# Allegro board 8880F5-0823_1_redwan.brd (continued)
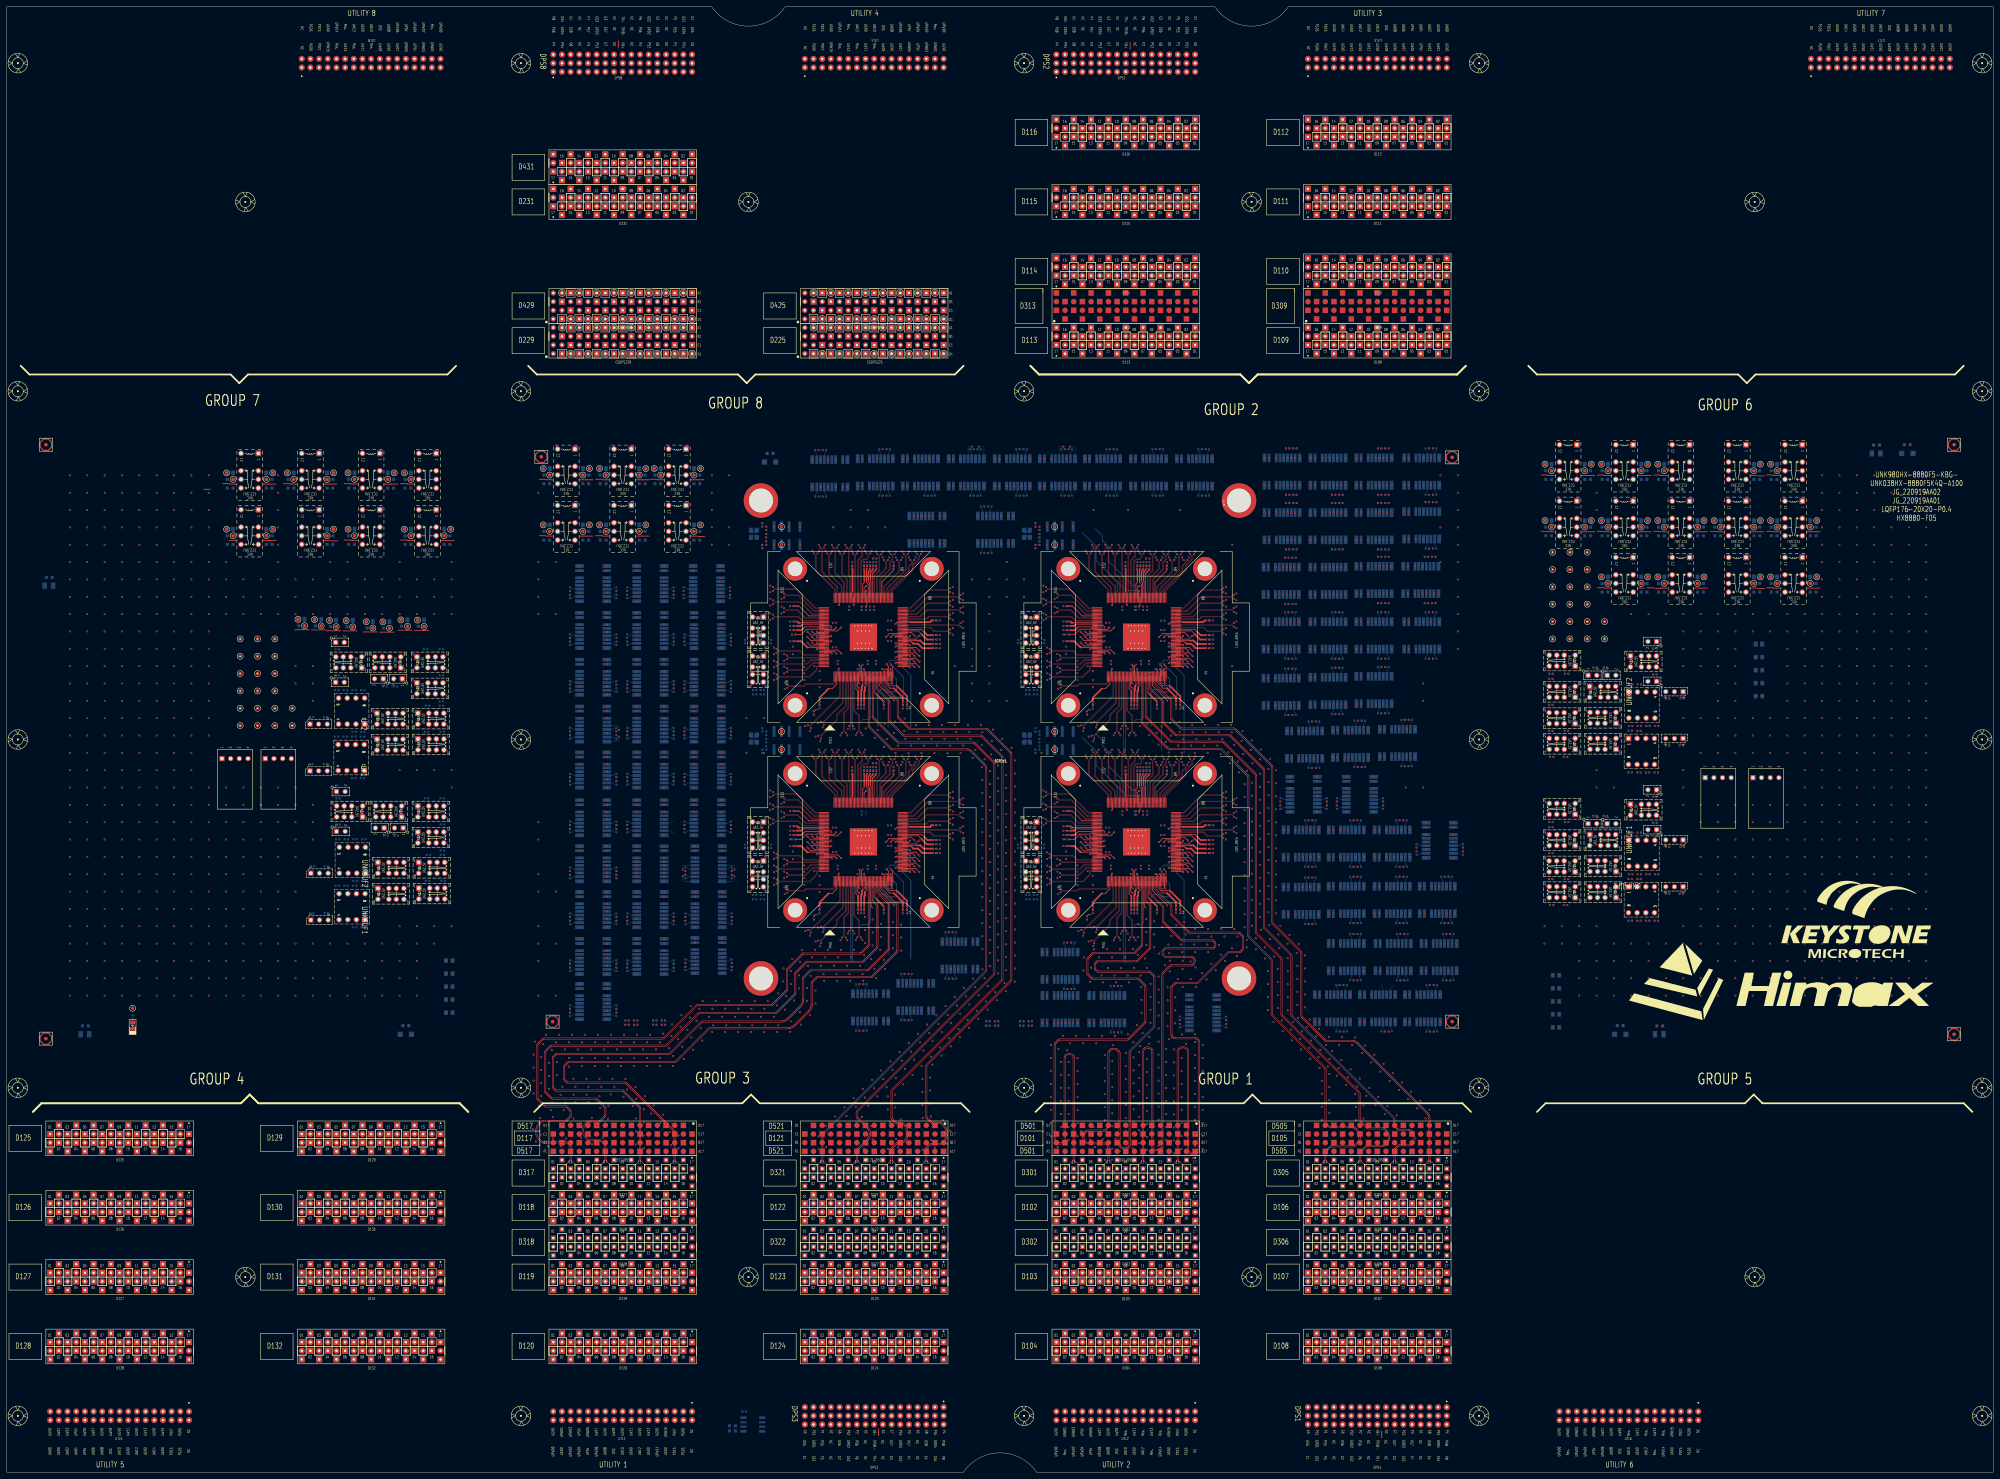
[diagram p0: board, top side]
## Routing (per net, layer and track width the routed paths; a pad name or vN(x,y) marks a point on that pad's centre or on a via; arc(x,y) is an arc through that point) (continued)
S4_2AUX+:
  vias: v1(300.22,132.08) v1(300.22,130.81)
S4_2AUX-:
  vias: v1(296.68,130.81) v1(297.68,132.08)
S4_2TX_100DCH001+: length 328.6
  TOP w0.086: SITE4.89 339.43,197.78 339.35,197.86 339.35,198.16 345.32,204.13 345.32,205.52 347.21,207.41 347.21,208.5 v1(347.64,208.93)
  L05_SIGNAL w0.071: 381,55.88 383.44,53.44 383.44,50.45 390.83,43.06 427.72,43.06 441.82,57.16 441.82,182.44 416.02,208.24 410.6,208.24 409.81,207.45 409.81,206.89 409.74,206.82 v1(409.34,206.82)
  L32_SIGNAL w0.071: v1(409.34,206.82) 409.81,207.29 409.81,208.53 405.73,212.61 364.3,212.61 363.28,211.59 347.69,211.59 347.17,211.08 347.17,209.4 v1(347.64,208.93)
S4_2TX_100DCH001-: length 327.9
  TOP w0.086: v1(346.5,208.93) 346.97,208.46 346.97,207.51 345.08,205.62 345.08,204.23 339.11,198.26 339.11,197.86 339.03,197.78 SITE4.90
  L05_SIGNAL w0.071: 386.08,55.88 383.64,53.44 383.64,50.53 390.91,43.26 427.64,43.26 441.62,57.24 441.62,182.36 415.94,208.04 410.68,208.04 410.01,207.37 410.01,206.89 410.08,206.82 v1(410.48,206.82)
  L32_SIGNAL w0.071: v1(410.48,206.82) 410.01,207.29 410.01,208.61 405.81,212.81 364.22,212.81 363.2,211.79 347.61,211.79 346.97,211.16 346.97,209.4 v1(346.5,208.93)
S4_2TX_100DCH002+: length 292.9
  TOP w0.086: SITE4.91 338.63,197.78 338.55,197.86 338.55,198.23 344.35,204.04 344.35,205.37 345.28,206.31 345.28,206.78 v1(345.72,207.21)
  L05_SIGNAL w0.071: 411.48,55.88 413.93,53.43 413.93,52.5 416,50.42 425.39,50.42 434.13,59.16 434.13,104.18 426.36,111.95 426.36,157.26 424.63,158.99 422.51,158.99 422,158.49 422,157.74 421.93,157.67 v1(421.53,157.67)
  L32_SIGNAL w0.071: v1(421.53,157.67) 422,157.2 422,155.99 424.45,153.55 426.35,153.55 427.29,154.49 427.29,192.87 420.47,199.7 360.61,199.7 357.38,196.47 349.01,196.47 345.24,200.23 345.24,206.74 v1(345.72,207.21)
S4_2TX_100DCH002-: length 291
  TOP w0.086: v1(344.57,207.21) 345.04,206.74 345.04,206.4 344.11,205.47 344.11,204.13 338.31,198.33 338.31,197.86 338.23,197.78 SITE4.92
  L05_SIGNAL w0.071: v1(422.68,157.67) 422.27,157.67 422.2,157.74 422.2,158.41 422.59,158.79 424.55,158.79 426.17,157.18 426.17,111.87 433.93,104.1 433.93,59.24 425.31,50.62 416.09,50.62 414.12,52.58 414.12,53.44 416.56,55.88
  L32_SIGNAL w0.071: v1(344.57,207.21) 345.04,206.74 345.04,200.15 348.93,196.27 357.46,196.27 360.69,199.5 420.38,199.5 427.09,192.79 427.09,154.57 426.27,153.74 424.53,153.74 422.2,156.07 422.2,157.2 v1(422.68,157.67)
S4_2TX_100DCH003+: length 254.1
  TOP w0.086: SITE4.93 337.83,197.78 337.75,197.86 337.75,198.68 343.34,204.27 343.34,208.49 v1(343.79,208.93)
  L05_SIGNAL w0.071: v1(421.53,144.08) 421.93,144.08 422,144.01 422,142.94 424.54,140.41 424.54,107.9 431.77,100.66 431.77,86.31 427.95,82.48 417.14,82.48 416.45,81.79 416.45,81.17 414.02,78.74
  L32_SIGNAL w0.071: v1(421.53,144.08) 422.01,144.56 422.01,145.55 427.98,151.53 427.98,201.66 415.42,214.22 371.28,214.22 369.91,215.59 347.22,215.59 343.31,211.69 343.31,209.4 v1(343.79,208.93)
S4_2TX_100DCH003-: length 254.8
  TOP w0.086: SITE4.94 337.43,197.78 337.51,197.86 337.51,198.78 343.1,204.37 343.1,208.47 v1(342.64,208.93)
  L05_SIGNAL w0.071: v1(422.68,144.08) 422.27,144.08 422.2,144.01 422.2,143.02 424.73,140.49 424.73,107.98 431.97,100.74 431.97,86.23 428.03,82.29 417.22,82.29 416.65,81.71 416.65,81.19 419.1,78.74
  L32_SIGNAL w0.071: v1(342.64,208.93) 343.12,209.4 343.12,211.77 347.14,215.79 369.99,215.79 371.37,214.42 415.51,214.42 428.18,201.75 428.18,151.44 422.21,145.47 422.21,144.55 v1(422.68,144.08)
S4_2TX_100DCH004+: length 419.4
  TOP w0.086: v1(341.86,207.21) 341.41,206.77 341.41,203.74 336.95,199.28 336.95,197.86 337.03,197.78 SITE4.95
  L05_SIGNAL w0.071: 307.34,55.88 309.78,53.44 309.78,49.79 315.59,43.97 352.32,43.97 359.3,50.96 359.3,76.52 381.29,98.51 387.82,98.51 394.26,104.95 394.26,123.29 398.66,127.69 398.66,158.82 398.02,159.45 395.61,159.45 394.83,158.67 394.83,157.74 394.76,157.67 v1(394.35,157.67)
  L32_SIGNAL w0.071: v1(341.86,207.21) 341.38,207.69 341.38,213.27 345.79,217.68 372.38,217.68 374.24,215.82 417.29,215.82 430.69,202.43 430.69,148.86 424.94,143.11 420.96,143.11 419.04,145.03 419.04,155.07 417.43,156.68 403.74,156.68 400.33,160.09 395.84,160.09 394.83,159.08 394.83,158.14 v1(394.35,157.67)
S4_2TX_100DCH004-: length 418.7
  TOP w0.086: SITE4.96 336.63,197.78 336.71,197.86 336.71,199.38 341.17,203.84 341.17,206.75 v1(340.71,207.21)
  L05_SIGNAL w0.071: 312.42,55.88 309.97,53.43 309.97,49.87 315.67,44.17 352.24,44.17 359.11,51.04 359.11,76.61 381.21,98.71 387.74,98.71 394.06,105.03 394.06,123.38 398.46,127.77 398.46,158.74 397.94,159.26 395.7,159.26 395.03,158.59 395.03,157.74 395.1,157.67 v1(395.5,157.67)
  L32_SIGNAL w0.071: v1(340.71,207.21) 341.19,207.69 341.19,213.36 345.71,217.88 372.46,217.88 374.32,216.02 417.37,216.02 430.88,202.51 430.88,148.78 425.02,142.91 420.87,142.91 418.84,144.95 418.84,154.99 417.35,156.48 403.66,156.48 400.25,159.9 395.92,159.9 395.02,159 395.02,158.14 v1(395.5,157.67)
S4_2TX_100DCH005+: length 394.9
  TOP w0.086: SITE4.98 335.83,197.78 335.75,197.86 335.75,201.48 338.7,204.43 338.7,206.53 339.46,207.3 339.46,208.47 v1(339.93,208.93)
  L05_SIGNAL w0.071: 317.5,55.88 319.95,53.43 319.95,50.58 324.37,46.16 349.75,46.16 355.25,51.66 355.25,75.86 379.79,100.4 385.56,100.4 391.64,106.48 391.64,126.12 392.75,127.23 392.75,144.12 393.71,145.08 394.38,145.08 394.83,144.64 394.83,144.15 394.76,144.08 v1(394.35,144.08)
  L32_SIGNAL w0.071: v1(339.93,208.93) 339.45,209.4 339.45,212.46 338.49,213.43 338.49,216.25 340.43,218.19 419,218.19 433.21,203.98 433.21,145.78 425.99,138.56 401.79,138.56 400.81,139.53 400.81,145.75 398.21,148.36 397.41,148.36 394.83,145.77 394.83,144.55 v1(394.35,144.08)
S4_2TX_100DCH005-: length 395.5
  TOP w0.086: v1(338.78,208.93) 339.22,208.49 339.22,207.4 338.46,206.63 338.46,204.53 335.51,201.58 335.51,197.86 335.43,197.78 SITE4.99
  L05_SIGNAL w0.071: v1(395.5,144.08) 395.1,144.08 395.03,144.15 395.03,144.72 394.47,145.28 393.63,145.28 392.55,144.2 392.55,127.32 391.44,126.21 391.44,106.56 385.48,100.6 379.71,100.6 355.05,75.95 355.05,51.75 349.67,46.36 324.45,46.36 320.15,50.67 320.15,53.45 322.58,55.88
  L32_SIGNAL w0.071: v1(395.5,144.08) 395.02,144.55 395.02,145.69 397.49,148.16 398.12,148.16 400.62,145.67 400.62,139.45 401.7,138.36 426.07,138.36 433.41,145.7 433.41,204.06 419.09,218.39 340.35,218.39 338.29,216.33 338.29,213.35 339.26,212.38 339.26,209.4 v1(338.78,208.93)
S4_2TX_100DCH006+: length 310
  TOP w0.086: SITE4.100 335.03,197.78 334.95,197.86 334.95,202.07 337.55,204.67 337.55,206.76 v1(338,207.21)
  L05_SIGNAL w0.071: 391.16,55.88 393.6,53.44 393.6,50.28 398.73,45.15 426.67,45.15 439.49,57.97 439.49,172.86 429.84,182.52 426.47,182.52 426.4,182.59 v1(426.4,182.99)
  L32_SIGNAL w0.071: v1(338,207.21) 337.53,206.74 337.53,201.61 339.26,199.88 344.12,199.88 350.99,193.01 357.54,193.01 359.63,190.93 360.86,190.93 362.13,192.2 372.95,192.2 374.85,190.29 392.01,190.29 393.71,192 415.23,192 424.72,182.52 425.93,182.52 v1(426.4,182.99)
S4_2TX_100DCH006-: length 309.3
  TOP w0.086: v1(336.85,207.21) 337.31,206.76 337.31,204.77 334.71,202.17 334.71,197.86 334.63,197.78 SITE4.101
  L05_SIGNAL w0.071: v1(426.4,181.84) 426.4,182.25 426.47,182.32 429.76,182.32 439.29,172.78 439.29,58.05 426.59,45.35 398.81,45.35 393.8,50.36 393.8,53.44 396.24,55.88
  L32_SIGNAL w0.071: v1(336.85,207.21) 337.33,206.74 337.33,201.53 339.18,199.68 344.04,199.68 350.91,192.82 357.46,192.82 359.55,190.73 360.94,190.73 362.21,192 372.87,192 374.77,190.1 392.09,190.1 393.79,191.8 415.15,191.8 424.63,182.32 425.93,182.32 v1(426.4,181.84)
S4_2TX_100DCH007+: length 292
  TOP w0.086: SITE4.102 334.23,197.78 334.15,197.86 334.15,202.58 335.64,204.07 335.64,208.51 v1(336.07,208.93)
  L05_SIGNAL w0.071: v1(412.81,182.99) 412.81,182.59 412.89,182.52 414.33,182.52 418.15,178.69 425.02,178.69 429.91,173.8 429.91,122.11 436.33,115.69 436.33,58.25 425.87,47.79 408.21,47.79 403.76,52.23 403.76,53.44 401.32,55.88
  L32_SIGNAL w0.071: v1(336.07,208.93) 335.6,208.46 335.6,202.4 338.86,199.14 343.59,199.14 350.37,192.37 357.44,192.37 359.41,190.4 361.14,190.4 362.46,191.71 367.12,191.71 369.32,189.52 404.36,189.52 405.49,188.39 405.49,184.75 407.75,182.5 412.32,182.5 v1(412.81,182.99)
S4_2TX_100DCH007-: length 291.3
  TOP w0.086: SITE4.103 333.83,197.78 333.91,197.86 333.91,202.68 335.4,204.17 335.4,208.46 v1(334.93,208.93)
  L05_SIGNAL w0.071: v1(412.81,181.84) 412.81,182.25 412.89,182.32 414.25,182.32 418.07,178.5 424.94,178.5 429.72,173.72 429.72,122.03 436.13,115.61 436.13,58.33 425.78,47.98 408.29,47.98 403.96,52.32 403.96,53.44 406.4,55.88
  L32_SIGNAL w0.071: v1(334.93,208.93) 335.4,208.46 335.4,202.32 338.77,198.94 343.51,198.94 350.28,192.17 357.36,192.17 359.33,190.2 361.23,190.2 362.54,191.52 367.04,191.52 369.23,189.32 404.28,189.32 405.3,188.3 405.3,184.67 407.67,182.3 412.36,182.3 v1(412.81,181.84)
S4_3TX_100DCH002+: length 301
  TOP w0.086: v1(330.93,210.87) 330.46,210.4 330.46,208.18 329.35,207.06 329.35,197.86 329.43,197.78 SITE4.114
  L07_SIGNAL w0.071: 391.16,76.2 393.66,73.7 393.66,72.99 392.77,72.1 377.65,72.1 375.37,74.38 375.37,92.2 380.3,97.13 392.27,97.13 404.33,109.18 404.33,124.72 401.78,127.27 401.78,129.78 402.62,130.63 403.52,130.63 403.97,130.17 403.97,129.17 403.9,129.1 v1(403.5,129.1)
  L30_SIGNAL w0.071: v1(330.93,210.87) 330.46,210.4 330.46,203.29 346.84,186.9 353.69,186.9 359.47,181.12 395.32,181.12 398.7,177.74 398.7,146.26 402.3,142.66 412.68,142.66 414.37,144.35 419.12,144.35 420.76,142.71 420.76,138.95 418.5,136.7 402.67,136.7 400.84,134.86 400.84,127.24 401.62,126.45 403.4,126.45 403.98,127.04 403.98,128.61 v1(403.5,129.1)
S4_3TX_100DCH002-: length 302.9
  TOP w0.086: SITE4.115 329.03,197.78 329.11,197.86 329.11,207.16 330.22,208.28 330.22,210.43 v1(329.79,210.87)
  L07_SIGNAL w0.071: v1(404.64,129.1) 404.24,129.1 404.17,129.17 404.17,130.25 403.6,130.83 402.54,130.83 401.58,129.87 401.58,127.19 404.13,124.64 404.13,109.27 392.19,97.33 380.21,97.33 375.17,92.28 375.17,74.3 377.57,71.9 392.85,71.9 393.86,72.91 393.86,73.82 396.24,76.2
  L30_SIGNAL w0.071: v1(404.64,129.1) 404.18,128.64 404.18,126.95 403.48,126.25 401.54,126.25 400.64,127.15 400.64,134.94 402.59,136.9 418.42,136.9 420.56,139.04 420.56,142.63 419.03,144.16 414.45,144.16 412.76,142.47 402.21,142.47 398.5,146.18 398.5,177.66 395.23,180.92 359.39,180.92 353.61,186.7 346.76,186.7 330.26,203.2 330.26,210.4 v1(329.79,210.87)
S4_3TX_100DCH003+: length 246
  TOP w0.086: SITE4.116 328.63,197.78 328.55,197.86 328.55,208.77 v1(328.93,209.15)
  L07_SIGNAL w0.071: v1(381.15,190.94) 381.55,190.94 381.62,191.02 381.62,191.82 381.24,192.2 379.62,192.2 378.62,191.2 378.62,156.09 370.3,147.77 370.3,104.55 362,96.25 362,78.02 356.13,72.15 341.11,72.15 340.26,73 340.26,73.76 337.82,76.2
  L30_SIGNAL w0.071: v1(328.93,209.15) 328.46,209.62 328.46,212.66 330.34,214.54 343.09,214.54 344.13,213.51 358.11,213.51 359.65,215.06 374.52,215.06 379.48,210.1 379.48,201.55 381.62,199.41 381.62,191.02 381.55,190.94 v1(381.15,190.94)
S4_3TX_100DCH003-: length 246.7
  TOP w0.086: v1(327.79,209.15) 328.31,208.63 328.31,197.86 328.23,197.78 SITE4.117
  L07_SIGNAL w0.071: 342.9,76.2 340.46,73.76 340.46,73.08 341.19,72.35 356.05,72.35 361.81,78.11 361.81,96.34 370.1,104.63 370.1,147.85 378.42,156.17 378.42,191.29 379.54,192.4 381.32,192.4 381.82,191.9 381.82,191.02 381.89,190.94 v1(382.29,190.94)
  L30_SIGNAL w0.071: v1(327.79,209.15) 328.26,209.62 328.26,212.75 330.26,214.74 343.18,214.74 344.21,213.71 358.02,213.71 359.57,215.25 374.61,215.25 379.68,210.18 379.68,201.63 381.82,199.49 381.82,191.02 381.89,190.94 v1(382.29,190.94)
S4_3TX_100DCH004+: length 252.4
  TOP w0.086: SITE4.120 327.03,197.78 326.95,197.86 326.95,202.28 326.61,202.62 326.61,210.41 v1(327.07,210.87)
  L07_SIGNAL w0.071: v1(381.15,177.36) 381.55,177.36 381.62,177.28 381.62,176.29 384.81,173.1 384.81,143.11 381.13,139.42 381.13,133.8 375.3,127.97 375.3,107.28 364.99,96.97 364.99,70.19 357.52,62.72 333.37,62.72 332.63,61.98 332.63,60.85 330.2,58.42
  L30_SIGNAL w0.071: v1(327.07,210.87) 326.6,210.4 326.6,202.3 337.77,191.13 340.99,191.13 342.91,189.2 342.91,184.95 346.06,181.8 348.43,181.8 353.3,176.94 371.84,176.94 373.86,174.92 380.87,174.92 381.62,175.67 381.62,176.88 v1(381.15,177.36)
S4_3TX_100DCH004-: length 253
  TOP w0.086: SITE4.121 326.63,197.78 326.71,197.86 326.71,202.19 326.38,202.52 326.38,210.42 v1(325.93,210.87)
  L07_SIGNAL w0.071: 335.28,58.42 332.83,60.87 332.83,61.9 333.45,62.52 357.6,62.52 365.19,70.11 365.19,96.89 375.5,107.2 375.5,127.89 381.33,133.72 381.33,139.34 385.01,143.03 385.01,173.18 381.82,176.37 381.82,177.28 381.89,177.36 v1(382.29,177.36)
  L30_SIGNAL w0.071: v1(382.29,177.36) 381.82,176.88 381.82,175.58 380.96,174.72 373.78,174.72 371.76,176.74 353.21,176.74 348.35,181.6 345.98,181.6 342.72,184.87 342.72,189.12 340.91,190.93 337.69,190.93 326.4,202.22 326.4,210.4 v1(325.93,210.87)
S4_3TX_100DCH005+: length 267.1
  TOP w0.086: SITE4.122 326.23,197.78 326.15,197.86 326.15,201.71 324.69,203.17 324.69,208.7 v1(325.14,209.15)
  L07_SIGNAL w0.071: v1(394.35,174.43) 394.76,174.43 394.83,174.36 394.83,172.79 389.38,167.34 389.38,130.96 385.52,127.1 385.52,117.62 384.04,116.14 384.04,112.97 367.31,96.23 367.31,69.7 359.8,62.19 343.35,62.19 342.78,61.62 342.78,60.84 340.36,58.42
  L30_SIGNAL w0.071: v1(394.35,174.43) 394.83,173.96 394.83,173.63 394.39,173.19 329.58,173.19 326.01,176.77 326.01,194.81 324.67,196.15 324.67,208.68 v1(325.14,209.15)
S4_3TX_100DCH005-: length 267.8
  TOP w0.086: SITE4.123 325.83,197.78 325.91,197.86 325.91,201.61 324.46,203.07 324.46,208.69 v1(324,209.15)
  L07_SIGNAL w0.071: v1(395.5,174.43) 395.1,174.43 395.03,174.36 395.03,172.71 389.58,167.26 389.58,130.88 385.71,127.02 385.71,117.54 384.24,116.06 384.24,112.88 367.5,96.15 367.5,69.62 359.88,62 343.44,62 342.97,61.54 342.97,60.89 345.44,58.42
  L30_SIGNAL w0.071: v1(324,209.15) 324.47,208.68 324.47,196.07 325.82,194.73 325.82,176.68 329.5,173 394.47,173 395.02,173.55 395.02,173.96 v1(395.5,174.43)
S4_3TX_100DCH006+: length 266.6
  TOP w0.086: v1(323.16,210.88) 322.73,210.45 322.73,203.37 325.35,200.75 325.35,197.86 325.43,197.78 SITE4.124
  L07_SIGNAL w0.071: v1(394.35,160.85) 394.76,160.85 394.83,160.77 394.83,159.83 396.4,158.26 396.4,141.72 394.82,140.14 394.82,128.84 391.52,125.54 391.52,116.47 390.11,115.07 390.11,106.42 384.91,101.21 375.88,101.21 370.53,95.86 370.53,69 377.65,61.88 385.58,61.88 385.97,61.48 385.97,60.85 383.54,58.42
  L30_SIGNAL w0.071: v1(323.16,210.88) 322.69,210.41 322.69,192.54 325.23,189.99 325.23,175.17 328.31,172.1 357.67,172.1 360.7,169.06 388.65,169.06 391.47,166.25 391.47,160.04 392.76,158.75 394.29,158.75 394.83,159.29 394.83,160.37 v1(394.35,160.85)
S4_3TX_100DCH006-: length 267.3
  TOP w0.086: SITE4.125 325.03,197.78 325.11,197.86 325.11,200.65 322.49,203.28 322.49,210.41 v1(322.02,210.88)
  L07_SIGNAL w0.071: v1(395.5,160.85) 395.1,160.85 395.03,160.77 395.03,159.91 396.6,158.34 396.6,141.64 395.02,140.06 395.02,128.75 391.72,125.45 391.72,116.39 390.31,114.99 390.31,106.34 384.99,101.01 375.96,101.01 370.73,95.78 370.73,69.08 377.73,62.08 385.66,62.08 386.17,61.56 386.17,60.87 388.62,58.42
  L30_SIGNAL w0.071: v1(322.02,210.88) 322.49,210.41 322.49,192.45 325.03,189.91 325.03,175.09 328.22,171.9 357.59,171.9 360.62,168.87 388.57,168.87 391.27,166.16 391.27,159.96 392.68,158.55 394.37,158.55 395.02,159.21 395.02,160.37 v1(395.5,160.85)
S4_3TX_100DCH007+: length 281.1
  TOP w0.086: SITE4.126 324.63,197.78 324.55,197.86 324.55,199.62 320.83,203.34 320.83,208.7 v1(321.28,209.15)
  L07_SIGNAL w0.071: 401.32,76.2 403.62,73.9 403.62,72.53 404.13,72.02 423.77,72.02 427.21,75.46 427.21,137.16 420.1,144.27 417.84,144.27 417.18,143.61 417.18,142.76 417.11,142.68 v1(416.71,142.68)
  L30_SIGNAL w0.071: v1(416.71,142.68) 417.18,142.21 417.18,141.83 416.32,140.97 388.06,140.97 377.21,151.83 363.54,151.83 359.5,155.86 333.56,155.86 329.66,151.97 325.48,151.97 320.81,156.64 320.81,208.68 v1(321.28,209.15)
S4_3TX_100DCH007-: length 280.6
  TOP w0.086: SITE4.127 324.23,197.78 324.31,197.86 324.31,199.52 320.59,203.24 320.59,208.7 v1(320.14,209.15)
  L07_SIGNAL w0.071: 406.4,76.2 403.82,73.62 403.82,72.62 404.21,72.22 423.69,72.22 427.01,75.55 427.01,137.08 420.02,144.07 417.93,144.07 417.38,143.52 417.38,142.76 417.45,142.68 v1(417.85,142.68)
  L30_SIGNAL w0.071: v1(320.14,209.15) 320.61,208.68 320.61,156.55 325.4,151.77 329.75,151.77 333.65,155.67 359.42,155.67 363.45,151.63 377.13,151.63 387.98,140.77 416.4,140.77 417.38,141.75 417.38,142.21 v1(417.85,142.68)
S4_4TX_100DCH001+: length 309.8
  TOP w0.086: v1(319.3,210.88) 318.85,210.43 318.85,203.79 323.35,199.29 323.35,197.86 323.43,197.78 SITE4.129
  L05_SIGNAL w0.071: 403.86,78.74 406.26,81.14 406.26,81.95 407.33,83.02 425.31,83.02 429.31,87.02 429.31,98.87 417.18,111 417.18,129.02 417.11,129.1 v1(416.71,129.1)
  L32_SIGNAL w0.071: v1(416.71,129.1) 417.18,129.57 417.18,130.82 420.85,134.49 428.78,134.49 434.95,140.66 434.95,204.09 419.72,219.32 405.89,219.32 404.34,220.86 380.17,220.86 379.05,219.74 347.35,219.74 346.58,220.51 327.12,220.51 318.83,212.23 318.83,211.35 v1(319.3,210.88)
S4_4TX_100DCH001-: length 310.4
  TOP w0.086: v1(318.16,210.88) 318.61,210.43 318.61,203.69 323.11,199.19 323.11,197.86 323.03,197.78 SITE4.130
  L05_SIGNAL w0.071: v1(417.85,129.1) 417.45,129.1 417.38,129.02 417.38,111.08 429.51,98.95 429.51,86.93 425.4,82.82 407.42,82.82 406.46,81.87 406.46,81.22 408.94,78.74
  L32_SIGNAL w0.071: v1(417.85,129.1) 417.38,129.57 417.38,130.74 420.93,134.29 428.87,134.29 435.15,140.58 435.15,204.17 419.8,219.52 405.97,219.52 404.43,221.06 380.09,221.06 378.97,219.94 347.44,219.94 346.66,220.71 327.03,220.71 318.63,212.31 318.63,211.35 v1(318.16,210.88)
S4_4TX_100DCH002+: length 352.3
  TOP w0.086: SITE4.131 322.63,197.78 322.55,197.86 322.55,198.66 316.97,204.24 316.97,208.69 v1(317.43,209.15)
  L05_SIGNAL w0.071: v1(390.29,142.68) 390.69,142.68 390.76,142.76 390.76,143.31 390.17,143.9 387.88,143.9 385.56,141.57 385.56,117.51 383.17,115.13 383.17,110.84 350.56,78.22 350.56,53.83 347.25,50.52 341.69,50.52 340.27,51.94 340.27,53.43 337.82,55.88
  L32_SIGNAL w0.071: v1(317.43,209.15) 316.95,208.68 316.95,207.81 316.62,207.47 315.5,207.47 313.28,209.69 308.81,209.69 296.71,197.59 296.71,137.11 303.55,130.27 335.57,130.27 340.91,124.93 349.47,124.93 351.58,122.83 391.17,122.83 392.28,123.94 392.28,139.44 390.76,140.95 390.76,142.21 v1(390.29,142.68)
S4_4TX_100DCH002-: length 353
  TOP w0.086: SITE4.132 322.23,197.78 322.31,197.86 322.31,198.56 316.73,204.14 316.73,208.71 v1(316.28,209.15)
  L05_SIGNAL w0.071: v1(391.43,142.68) 391.03,142.68 390.96,142.76 390.96,143.39 390.26,144.1 387.8,144.1 385.36,141.66 385.36,117.6 382.97,115.21 382.97,110.92 350.36,78.31 350.36,53.91 347.17,50.72 341.77,50.72 340.47,52.02 340.47,53.45 342.9,55.88
  L32_SIGNAL w0.071: v1(391.43,142.68) 390.96,142.21 390.96,141.04 392.48,139.52 392.48,123.86 391.25,122.63 351.5,122.63 349.39,124.74 340.82,124.74 335.49,130.07 303.46,130.07 296.51,137.03 296.51,197.67 308.73,209.89 313.36,209.89 315.58,207.67 316.53,207.67 316.75,207.89 316.75,208.68 v1(316.28,209.15)
S4_4TX_100DCH003+: length 309.8
  TOP w0.086: SITE4.133 317.68,193.23 317.6,193.15 316.94,193.15 311.22,198.87 304.75,198.87 v1(304.31,199.31)
  L05_SIGNAL w0.071: 327.66,55.88 330.1,53.44 330.1,51.74 333.62,48.22 347.99,48.22 353.33,53.55 353.33,77.6 388.41,112.68 388.41,119.13 389.28,120.01 389.28,129.51 389.81,130.03 390.28,130.03 390.76,129.55 390.76,129.17 390.69,129.1 v1(390.29,129.1)
  L32_SIGNAL w0.071: v1(304.31,199.31) 303.83,198.84 302.27,198.84 300.03,196.6 300.03,138.24 305.2,133.08 335.6,133.08 336.9,131.78 340.56,131.78 342.24,133.46 345.65,133.46 348.81,130.3 368.29,130.3 373.6,125 383.29,125 387.21,128.92 387.21,130.15 388.18,131.12 390.17,131.12 390.76,130.53 390.76,129.57 v1(390.29,129.1)
S4_4TX_100DCH003-: length 309.5
  TOP w0.086: v1(304.31,198.17) 304.77,198.63 311.12,198.63 316.84,192.91 317.6,192.91 317.68,192.83 SITE4.134
  L05_SIGNAL w0.071: 332.74,55.88 330.3,53.44 330.3,51.82 333.7,48.42 347.91,48.42 353.13,53.64 353.13,77.68 388.21,112.76 388.21,119.21 389.09,120.09 389.09,129.59 389.72,130.23 390.36,130.23 390.96,129.63 390.96,129.17 391.03,129.1 v1(391.43,129.1)
  L32_SIGNAL w0.071: v1(304.31,198.17) 303.83,198.64 302.36,198.64 300.23,196.52 300.23,138.32 305.28,133.27 335.69,133.27 336.99,131.98 340.47,131.98 342.16,133.66 345.73,133.66 348.89,130.5 368.38,130.5 373.68,125.2 383.21,125.2 387.01,129.01 387.01,130.24 388.1,131.32 390.25,131.32 390.96,130.61 390.96,129.57 v1(391.43,129.1)
S4_4TX_100DCH004+: length 261.3
  TOP w0.086: v1(307.6,197.38) 308.04,196.95 311.86,196.95 316.46,192.35 317.6,192.35 317.68,192.43 SITE4.135
  L05_SIGNAL w0.071: 393.7,78.74 396.14,81.18 396.14,82.1 395.45,82.78 379.6,82.78 378.21,84.18 378.21,88.74 383.96,94.49 395.44,94.49 408.93,107.99 408.93,110.77 410,111.84 410,171.47 408.29,173.18 408.29,174.36 408.22,174.43 v1(407.82,174.43)
  L32_SIGNAL w0.071: v1(407.82,174.43) 408.29,173.96 408.29,172.79 407.97,172.47 405.75,172.47 401.56,176.65 362.95,176.65 342.69,196.91 308.07,196.91 v1(307.6,197.38)
S4_4TX_100DCH004-: length 261.6
  TOP w0.086: v1(307.6,196.24) 308.07,196.71 311.76,196.71 316.36,192.11 317.6,192.11 317.68,192.03 SITE4.136
  L05_SIGNAL w0.071: v1(408.96,174.43) 408.56,174.43 408.49,174.36 408.49,173.26 410.2,171.55 410.2,111.76 409.13,110.69 409.13,107.9 395.52,94.29 384.05,94.29 378.41,88.66 378.41,84.26 379.69,82.98 395.53,82.98 396.33,82.18 396.33,81.19 398.78,78.74
  L32_SIGNAL w0.071: v1(307.6,196.24) 308.07,196.71 342.61,196.71 362.86,176.46 401.48,176.46 405.66,172.27 408.05,172.27 408.49,172.71 408.49,173.96 v1(408.96,174.43)
S4_4TX_100DCH005+: length 257.5
  TOP w0.086: v1(304.31,195.45) 304.75,195.01 312.43,195.01 315.88,191.55 317.6,191.55 317.68,191.63 SITE4.137
  L05_SIGNAL w0.071: 383.54,78.74 385.99,81.19 385.99,81.73 385.43,82.29 377.68,82.29 375.27,84.69 375.27,88.93 383,96.65 392.74,96.65 399.33,103.24 399.33,112.2 405.33,118.2 405.33,156.76 408.29,159.71 408.29,160.77 408.22,160.85 v1(407.82,160.85)
  L32_SIGNAL w0.071: v1(304.31,195.45) 304.78,194.98 305.28,194.98 305.98,194.28 307.7,194.28 311.61,190.36 343.35,190.36 348.16,185.55 348.16,178.67 357.85,168.98 399.27,168.98 402.79,165.45 402.79,159.81 404.36,158.25 407.3,158.25 408.29,159.24 408.29,160.37 v1(407.82,160.85)
S4_4TX_100DCH005-: length 257.9
  TOP w0.086: v1(304.31,194.31) 304.76,194.77 312.33,194.77 315.78,191.31 317.6,191.31 317.68,191.23 SITE4.138
  L05_SIGNAL w0.071: 388.62,78.74 386.19,81.17 386.19,81.81 385.51,82.49 377.76,82.49 375.47,84.77 375.47,88.84 383.08,96.45 392.82,96.45 399.53,103.16 399.53,112.11 405.53,118.12 405.53,156.67 408.49,159.63 408.49,160.77 408.56,160.85 v1(408.96,160.85)
  L32_SIGNAL w0.071: v1(304.31,194.31) 304.78,194.78 305.19,194.78 305.89,194.08 307.61,194.08 311.53,190.16 343.27,190.16 347.96,185.47 347.96,178.59 357.77,168.78 399.19,168.78 402.6,165.37 402.6,159.73 404.28,158.05 407.38,158.05 408.49,159.16 408.49,160.37 v1(408.96,160.85)
S4_4TX_100DCH006+: length 160.1
  TOP w0.086: SITE4.140 317.68,190.43 317.6,190.35 313.87,190.35 311.52,192.7 308.04,192.7 v1(307.6,193.14)
  L05_SIGNAL w0.071: v1(310.53,155.13) 310.94,155.13 311.01,155.06 311.01,153.91 312.46,152.45 312.46,147.58 315.26,144.79 315.26,126.78 317.59,124.45 317.59,112.94 303.55,98.9 303.55,84.59 305.32,82.83 321.71,82.83 322.51,82.03 322.51,81.21 320.04,78.74
  L32_SIGNAL w0.071: v1(307.6,193.14) 307.13,192.67 306.36,192.67 305.06,191.37 305.06,184.47 303.64,183.05 303.64,164.86 311.01,157.49 311.01,155.6 v1(310.53,155.13)
S4_4TX_100DCH006-: length 159.8
  TOP w0.086: SITE4.141 317.68,190.03 317.6,190.11 313.78,190.11 311.43,192.46 308.06,192.46 v1(307.6,192)
  L05_SIGNAL w0.071: 325.12,78.74 322.71,81.15 322.71,82.11 321.79,83.02 305.4,83.02 303.75,84.68 303.75,98.81 317.79,112.86 317.79,124.54 315.46,126.86 315.46,144.87 312.66,147.67 312.66,152.54 311.21,153.99 311.21,155.06 311.28,155.13 v1(311.68,155.13)
  L32_SIGNAL w0.071: v1(307.6,192) 307.13,192.47 306.44,192.47 305.26,191.28 305.26,184.38 303.83,182.96 303.83,164.94 311.21,157.57 311.21,155.6 v1(311.68,155.13)
S4_4TX_100DCH007+: length 149.8
  TOP w0.086: v1(304.31,191.21) 304.76,190.76 311.83,190.76 313.04,189.55 317.6,189.55 317.68,189.63 SITE4.142
  L05_SIGNAL w0.071: 309.88,78.74 312.33,81.19 312.33,81.73 311.82,82.24 303.65,82.24 301.8,84.08 301.8,135.84 306.53,140.58 310.77,140.58 311.01,140.81 311.01,141.47 310.94,141.54 v1(310.53,141.54)
  L32_SIGNAL w0.071: v1(304.31,191.21) 303.83,190.74 303.26,190.74 302.67,190.15 302.67,155.78 305.85,152.6 305.85,148.21 311.01,143.05 311.01,142.01 v1(310.53,141.54)
S4_4TX_100DCH007-: length 149.4
  TOP w0.086: v1(304.31,190.07) 304.76,190.52 311.73,190.52 312.94,189.31 317.6,189.31 317.68,189.23 SITE4.143
  L05_SIGNAL w0.071: 314.96,78.74 312.52,81.18 312.52,81.81 311.9,82.43 303.73,82.43 301.99,84.17 301.99,135.76 306.61,140.38 310.85,140.38 311.21,140.73 311.21,141.47 311.28,141.54 v1(311.68,141.54)
  L32_SIGNAL w0.071: v1(311.68,141.54) 311.21,142.01 311.21,143.13 306.05,148.29 306.05,152.68 302.87,155.86 302.87,190.06 303.35,190.54 303.83,190.54 v1(304.31,190.07)
